# Altium PCB PROC114E3_BRD.PcbDoc (part 17 of 18) (continued)
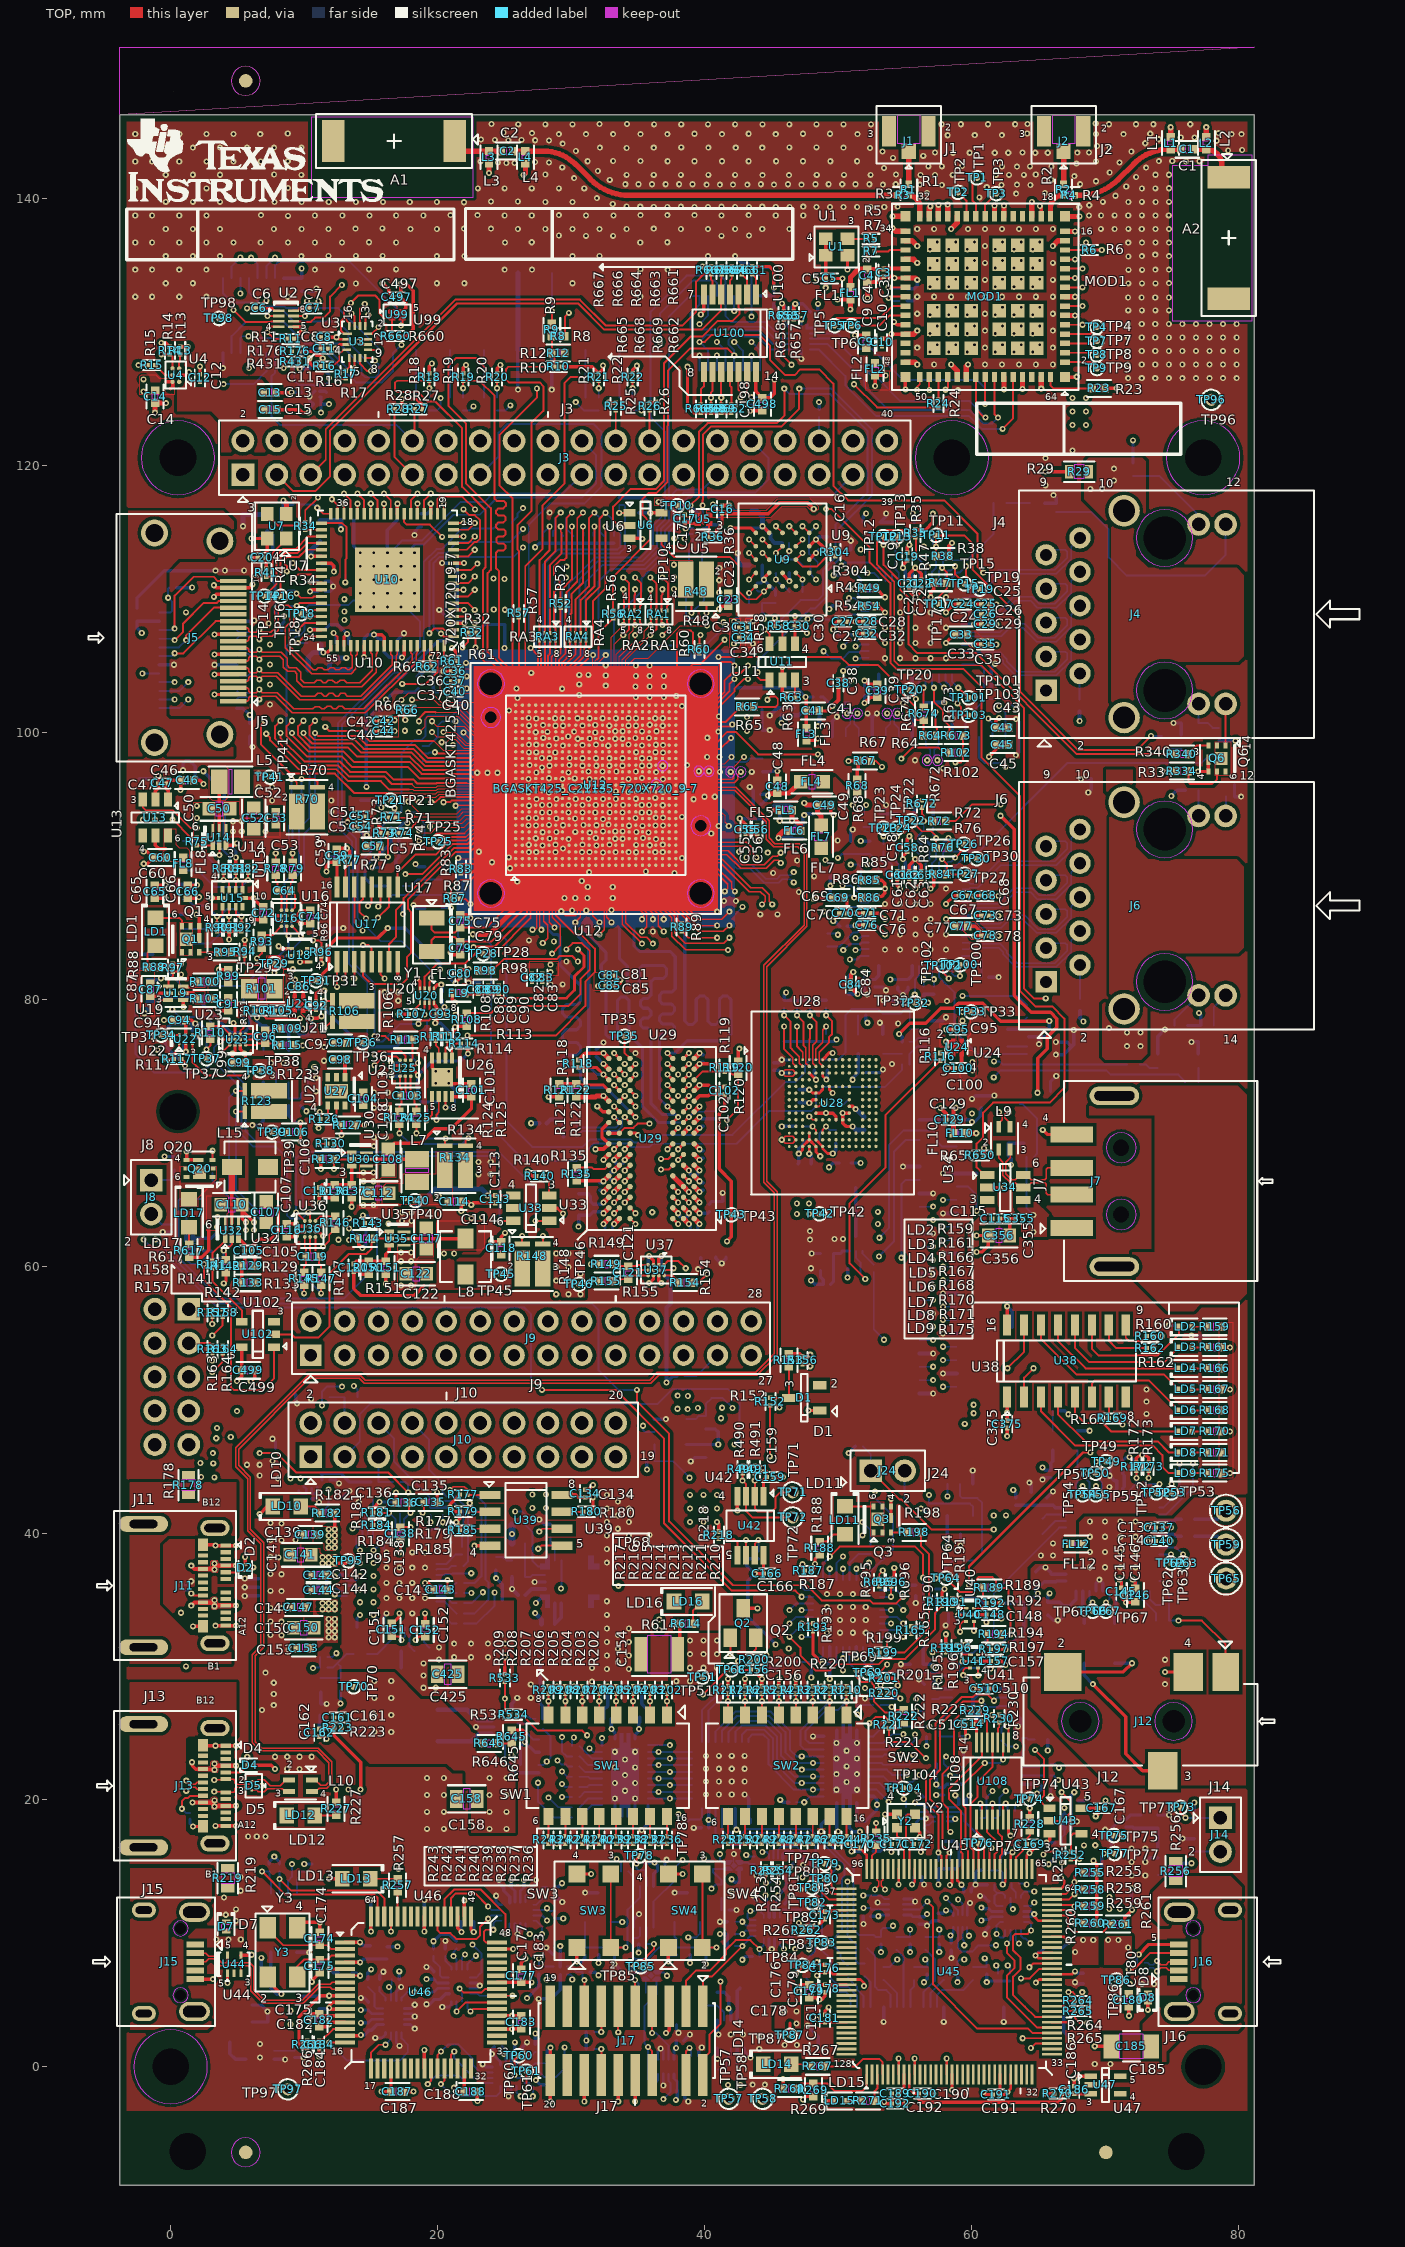
[diagram p0: TOP view]
## Silkscreen, mask and mechanical layers (free items; w line width, h text height)
Top Overlay:
  drawing of 9247 lines, arcs and shapes, not listed
Bottom Overlay:
  drawing of 3810 lines, arcs and shapes, not listed
DESIGN_OUTLINE:
  drawing of 9682 lines, arcs and shapes, not listed
  text "REVISIONS" at 298.237,287.444 h2.54
  text "REV #" at 232.197,281.094 h2.54
  text "DESCRIPTION" at 294.427,281.094 h2.54
  text "DATE" at 379.517,281.094 h2.54
  text "REV #" at 232.197,273.474 h2.54
  text "CCN #" at 301.412,273.474 h2.54
  text "DDMMYY" at 378.247,273.474 h2.54
  text "DATE" at 256.86,-180.526 h2.54
  text "SIGNATURES" at 217.82,-180.551 h2.54
  text "SM" at 243.183,-187.367 h2.54
  text "LAYOUT BY" at 210.276,-187.638 h2.54
  text "220422" at 257.58,-188.138 h2.54
  text "TEXAS INSTRUMENTS" at 294.287,-188.209 h3.05
  text "PROC114E3" at 372.073,-189.235 h3.05
  text "REVIEWED BY" at 210.276,-194.623 h2.54
  text "ZA" at 243.37,-194.696 h2.54
  text "220422" at 258.003,-195.639 h2.54
  text "APPROVED BY" at 210.276,-202.243 h2.54
  text "AMB" at 243.056,-202.48 h2.54
  text "220422" at 257.911,-203.328 h2.54
  text "AM62x  EVM  BOARD" at 306.542,-209.926 h3.05
  text "Rev" at 387.186,-225.557 h3.05
  text "SIZE" at 276.456,-225.865 h3.05
  text "D" at 280.267,-231.055 h3.05
  text "E3" at 388.583,-231.526 h3.05
  text "SCALE:" at 276.061,-238.765 h3.05
  text "NONE" at 292.698,-239.273 h3.05
  text "SHEET 1 OF 17" at 361.024,-239.273 h3.05
DIMENSION:
  lines w0.025: -3.81,164.008 28.593,164.008 -3.81,164.008 ; -3.81,164.008 0,164.643 ; -3.81,164.008 0,163.373 ; -3.81,164.008 0,164.643 ; -3.81,164.008 0,163.373 ; 0,163.373 0,164.643 ; 0,163.373 0,164.643 ; 77.38,163.373 81.19,164.008 ; 77.38,163.373 77.38,164.643 ; 77.38,163.373 81.19,164.008 ; 77.38,163.373 77.38,164.643 ; 77.38,164.643 81.19,164.008 ; 77.38,164.643 81.19,164.008 ; 81.19,164.008 44.762,164.008 81.19,164.008 ; 97.841,0.759 98.476,-3.051 ; 97.841,0.759 99.111,0.759 ; 97.841,0.759 98.476,-3.051 ; 97.841,0.759 99.111,0.759 ; 97.841,142.477 98.476,146.287 ; 97.841,142.477 99.111,142.477 ; 97.841,142.477 98.476,146.287 ; 97.841,142.477 99.111,142.477 ; 98.476,-3.051 98.476,90.264 98.476,-3.051 ; 98.476,-3.051 99.111,0.759 ; 98.476,-3.051 99.111,0.759 ; 98.476,146.287 99.111,142.477 ; 98.476,146.287 99.111,142.477 ; 98.476,146.287 98.476,102.776 98.476,146.287 ; 117.983,-5.08 118.618,-8.89 ; 117.983,-5.08 119.253,-5.08 ; 117.983,-5.08 118.618,-8.89 ; 117.983,-5.08 119.253,-5.08 ; 117.983,147.557 118.618,151.367 ; 117.983,147.557 119.253,147.557 ; 117.983,147.557 118.618,151.367 ; 117.983,147.557 119.253,147.557 ; 118.618,-8.89 119.253,-5.08 ; 118.618,-8.89 119.253,-5.08 ; 118.618,-8.89 118.618,71.189 118.618,-8.89 ; 118.618,151.367 118.618,83.7 118.618,151.367 ; 118.618,151.367 119.253,147.557 ; 118.618,151.367 119.253,147.557 ; -3.81,153.907 -3.81,166.548 -3.81,153.907 ; 81.19,153.907 81.19,166.548 81.19,153.907 ; 83.73,-8.89 121.158,-8.89 83.73,-8.89 ; 83.73,-3.051 101.016,-3.051 83.73,-3.051 ; 83.73,146.287 101.016,146.287 83.73,146.287 ; 83.73,151.367 121.158,151.367 83.73,151.367
NCLEGEND-1-10:
  circle w0.025: c190.054,151.633 r0.508
  circle w0.025: c190.054,161.793 r0.279
  circle w0.025: c190.054,141.473 r0.66
  circle w0.025: c190.054,146.553 r0.508
  circle w0.025: c190.054,156.713 r0.457
  circle w0.025: c190.054,166.873 r0.102
  lines w0.025: 180.847,83.053 318.642,83.053 ; 180.847,88.133 318.642,88.133 ; 180.847,93.213 318.642,93.213 ; 180.847,98.293 318.642,98.293 ; 180.847,103.373 318.642,103.373 ; 180.847,108.453 318.642,108.453 ; 180.847,113.533 318.642,113.533 ; 180.847,118.613 318.642,118.613 ; 180.847,123.693 318.642,123.693 ; 180.847,128.773 318.642,128.773 ; 180.847,133.853 318.642,133.853 ; 180.847,138.933 318.642,138.933 ; 180.847,144.013 318.642,144.013 ; 180.847,149.093 318.642,149.093 ; 180.847,154.173 318.642,154.173 ; 180.847,159.253 318.642,159.253 ; 180.847,164.333 318.642,164.333 ; 180.847,169.413 318.642,169.413 ; 180.847,174.493 318.642,174.493 ; 180.847,179.573 318.642,179.573 ; 188.683,110.993 191.426,110.993 ; 189.216,116.073 190.893,116.073 ; 190.054,109.622 190.054,112.365 ; 190.054,115.235 190.054,116.912 ; 199.262,77.973 199.262,174.493 ; 237.997,77.973 237.997,174.493 ; 276.732,77.973 276.732,174.493 ; 302.767,77.973 302.767,174.493 ; 180.847,77.973 180.847,185.923 318.642,185.923 318.642,77.973 180.847,77.973 ; 188.454,105.913 190.054,107.514 191.655,105.913 190.054,104.313 188.454,105.913 ; 188.911,79.802 ccw(c188.911,80.513) 188.911,81.225 191.197,81.225 ccw(c191.197,80.513) 191.197,79.802 188.911,79.802 ; 189.216,135.555 190.893,135.555 190.893,137.232 189.216,137.232 189.216,135.555 ; 189.318,84.984 ccw(c189.318,85.593) 189.318,86.203 190.791,86.203 ccw(c190.791,85.593) 190.791,84.984 189.318,84.984 ; 189.445,120.544 189.445,121.763 190.664,121.763 190.664,120.544 189.445,120.544 ; 189.572,95.144 ccw(c189.572,95.753) 189.572,96.363 190.537,96.363 ccw(c190.537,95.753) 190.537,95.144 189.572,95.144 ; 189.623,89.81 ccw(c189.623,90.673) 189.623,91.537 190.486,91.537 ccw(c190.486,90.673) 190.486,89.81 189.623,89.81 ; 189.623,125.802 189.623,126.665 190.486,126.665 190.486,125.802 189.623,125.802 ; 189.648,130.907 189.648,131.72 190.461,131.72 190.461,130.907 189.648,130.907 ; 189.724,100.275 ccw(c189.724,100.833) 189.724,101.392 190.385,101.392 ccw(c190.385,100.833) 190.385,100.275 189.724,100.275
  text "DRILL CHART: TOP to BOTTOM" at 223.328,182.113 h2.54
  text "ALL UNITS ARE IN MILS" at 228.408,175.763 h2.54
  text "FIGURE" at 183.958,170.683 h2.54
  text "SIZE" at 214.565,170.683 h2.54
  text "TOLERANCE" at 248.22,170.683 h2.54
  text "PLATED" at 283.653,170.683 h2.54
  text "QTY" at 307.656,170.683 h2.54
  text "8.0" at 215.581,165.603 h2.54
  text "+3.0/-3.0" at 248.22,165.603 h2.54
  text "PLATED" at 283.653,165.603 h2.54
  text "3263" at 306.64,165.603 h2.54
  text "22.0" at 214.565,160.523 h2.54
  text "+3.0/-3.0" at 248.22,160.523 h2.54
  text "PLATED" at 283.653,160.523 h2.54
  text "6" at 309.688,160.523 h2.54
  text "36.0" at 214.565,155.443 h2.54
  text "+3.0/-3.0" at 248.22,155.443 h2.54
  text "PLATED" at 283.653,155.443 h2.54
  text "48" at 308.672,155.443 h2.54
  text "40.0" at 214.565,150.363 h2.54
  text "+3.0/-2.0" at 248.22,150.363 h2.54
  text "PLATED" at 283.653,150.363 h2.54
  text "6" at 309.688,150.363 h2.54
  text "40.0" at 214.565,145.283 h2.54
  text "+3.0/-3.0" at 248.22,145.283 h2.54
  text "PLATED" at 283.653,145.283 h2.54
  text "81" at 308.672,145.283 h2.54
  text "52.0" at 214.565,140.203 h2.54
  text "+1.0/-1.0" at 248.22,140.203 h2.54
  text "PLATED" at 283.653,140.203 h2.54
  text "4" at 309.688,140.203 h2.54
  text "66.0" at 214.565,135.123 h2.54
  text "+3.0/-3.0" at 248.22,135.123 h2.54
  text "PLATED" at 283.653,135.123 h2.54
  text "4" at 309.688,135.123 h2.54
  text "32.0" at 214.565,130.043 h2.54
  text "+3.0/-3.0" at 248.22,130.043 h2.54
  text "NON-PLATED" at 279.589,130.043 h2.54
  text "4" at 309.688,130.043 h2.54
  text "34.0" at 214.565,124.963 h2.54
  text "+1.0/-1.0" at 248.22,124.963 h2.54
  text "NON-PLATED" at 279.589,124.963 h2.54
  text "2" at 309.688,124.963 h2.54
  text "48.0" at 214.565,119.883 h2.54
  text "+3.0/-3.0" at 248.22,119.883 h2.54
  text "NON-PLATED" at 279.589,119.883 h2.54
  text "2" at 309.688,119.883 h2.54
  text "66.0" at 214.565,114.803 h2.54
  text "+3.0/-3.0" at 248.22,114.803 h2.54
  text "NON-PLATED" at 279.589,114.803 h2.54
  text "6" at 309.688,114.803 h2.54
  text "108.0" at 213.549,109.723 h2.54
  text "+3.0/-3.0" at 248.22,109.723 h2.54
  text "NON-PLATED" at 279.589,109.723 h2.54
  text "10" at 308.672,109.723 h2.54
  text "126.0" at 213.549,104.643 h2.54
  text "+3.0/-3.0" at 248.22,104.643 h2.54
  text "NON-PLATED" at 279.589,104.643 h2.54
  text "4" at 309.688,104.643 h2.54
  text "48.0x22.0" at 209.485,99.563 h2.54
  text "+3.0/-3.0" at 248.22,99.563 h2.54
  text "PLATED" at 283.653,99.563 h2.54
  text "4" at 309.688,99.563 h2.54
  text "62.0x24.0" at 209.485,94.483 h2.54
  text "+2.0/-2.0" at 248.22,94.483 h2.54
  text "PLATED" at 283.653,94.483 h2.54
  text "4" at 309.688,94.483 h2.54
  text "68.0x34.0" at 209.485,89.403 h2.54
  text "+3.0/-3.0" at 248.22,89.403 h2.54
  text "PLATED" at 283.653,89.403 h2.54
  text "4" at 309.688,89.403 h2.54
  text "82.0x24.0" at 209.485,84.323 h2.54
  text "+2.0/-2.0" at 248.22,84.323 h2.54
  text "PLATED" at 283.653,84.323 h2.54
  text "4" at 309.688,84.323 h2.54
  text "118.0x28.0" at 208.469,79.243 h2.54
  text "+3.0/-3.0" at 248.22,79.243 h2.54
  text "PLATED" at 283.653,79.243 h2.54
  text "2" at 309.688,79.243 h2.54
Z_CHART:
  lines w0.254: -307.396,-94.351 -66.096,-94.351 ; -307.396,-90.541 -66.096,-90.541 ; -307.396,-86.731 -66.096,-86.731 ; -307.396,-82.921 -66.096,-82.921 ; -307.396,-79.111 -66.096,-79.111 ; -307.396,-75.301 -66.096,-75.301 ; -307.396,-41.646 -240.086,-41.646 ; -307.396,-41.011 -240.086,-41.011 ; -297.27,-98.01 -297.236,-63.871 ; -237.546,-98.161 -237.546,-75.301 ; -237.546,-90.541 -237.546,-63.871 ; -217.861,-98.161 -217.861,-75.301 ; -217.861,-90.541 -217.861,-63.871 ; -174.681,-98.161 -174.681,-75.301 ; -174.681,-90.541 -174.681,-63.871 ; -139.121,-98.161 -139.121,-75.301 ; -139.121,-90.541 -139.121,-63.871 ; -99.751,-98.161 -99.751,-75.301 ; -99.751,-90.541 -99.751,-63.871 ; -73.716,-70.856 -307.396,-70.856 ; -73.716,-67.046 -307.396,-67.046 -66.096,-67.046 ; -73.716,-63.236 -307.396,-63.236 -66.096,-63.236 ; -73.716,-59.426 -307.396,-59.426 -66.096,-59.426 ; -73.716,-55.616 -307.396,-55.616 -66.096,-55.616 ; -66.096,-70.856 -307.396,-70.856 ; -66.096,-51.171 -307.396,-51.171 ; -307.396,-70.856 -307.396,-51.171 ; -307.396,-51.171 -307.396,-98.161 -66.096,-98.161 -66.096,-44.186 -307.396,-44.186 -307.396,-51.171 ; -297.236,-70.856 -297.236,-44.186 -297.236,-70.856 ; -237.546,-70.856 -237.546,-44.186 -237.546,-70.856 ; -217.861,-70.856 -217.861,-44.186 -217.861,-70.856 ; -174.681,-70.856 -174.681,-44.186 -174.681,-70.856 ; -139.121,-70.856 -139.121,-44.186 -139.121,-70.856 ; -99.751,-70.856 -99.751,-44.186 -99.751,-70.856
  text "IMPEDANCE SPECIFICATIONS" at -303.128,-39.953 h3.05
  text "SL#" at -305.364,-48.843 h2.54
  text "TYPE" at -270.185,-48.843 h2.54
  text "LAYER" at -233.101,-48.843 h2.54
  text "TRACEWIDTH(Mils)" at -211.892,-48.843 h2.54
  text "SPACING(Mils)" at -170.109,-48.843 h2.54
  text "IMPEDANCE(Ohms)" at -134.676,-48.843 h2.54
  text "REF LAYER" at -95.56,-48.843 h2.54
  text "EDGE COUPLED STRIPLINE" at -291.013,-54.981 h2.54
  text "01" at -304.348,-55.193 h2.54
  text "L3,L8" at -233.101,-55.193 h2.54
  text "3.2" at -198.049,-55.193 h2.54
  text "7.5" at -159.314,-55.193 h2.54
  text "100" at -121.849,-55.193 h2.54
  text "L2/L4,L7/L9" at -96.322,-55.193 h2.54
  text "EDGE COUPLED MICROSTRIP" at -290.759,-58.791 h2.54
  text "02" at -304.348,-59.003 h2.54
  text "L1,L10" at -234.117,-59.003 h2.54
  text "4.25" at -199.065,-59.003 h2.54
  text "7.15" at -160.33,-59.003 h2.54
  text "100" at -121.849,-59.003 h2.54
  text "L2,L9" at -90.226,-59.003 h2.54
  text "EDGE COUPLED STRIPLINE" at -291.013,-62.601 h2.54
  text "03" at -304.348,-62.813 h2.54
  text "L3,L8" at -233.101,-62.813 h2.54
  text "3.7" at -198.049,-62.813 h2.54
  text "6" at -157.282,-62.813 h2.54
  text "90" at -120.833,-62.813 h2.54
  text "L2/L4,L7/L9" at -96.322,-62.813 h2.54
  text "EDGE COUPLED MICROSTRIP" at -290.759,-66.411 h2.54
  text "04" at -304.348,-66.623 h2.54
  text "L1,L10" at -234.117,-66.623 h2.54
  text "4.2" at -198.049,-66.623 h2.54
  text "4.4" at -159.314,-66.623 h2.54
  text "90" at -120.833,-66.623 h2.54
  text "L2,L9" at -90.226,-66.623 h2.54
  text "EDGE COUPLED STRIPLINE" at -291.013,-70.221 h2.54
  text "L3,L8" at -233.101,-70.433 h2.54
  text "4.2" at -198.049,-70.433 h2.54
  text "4.3" at -159.314,-70.433 h2.54
  text "80" at -120.833,-70.433 h2.54
  text "L2/L4,L7/L9" at -96.322,-70.433 h2.54
  text "01" at -304.348,-71.068 h2.54
  text "EDGE COUPLED MICROSTRIP" at -290.759,-74.031 h2.54
  text "L1,L10" at -234.117,-74.243 h2.54
  text "6.02" at -199.065,-74.243 h2.54
  text "4.8" at -159.314,-74.243 h2.54
  text "80" at -120.833,-74.243 h2.54
  text "L2,L9" at -90.226,-74.243 h2.54
  text "02" at -304.348,-74.878 h2.54
  text "L1,L10" at -234.117,-78.053 h2.54
  text "4.1" at -198.049,-78.053 h2.54
  text "5.75" at -160.252,-78.302 h2.54
  text "120" at -121.914,-78.449 h2.54
  text "L3" at -87.243,-78.449 h2.54
  text "EDGE COUPLED MICROSTRIP" at -290.759,-78.476 h2.54
  text "03" at -304.348,-78.688 h2.54
  text "STRIPLINE" at -294.183,-82.359 h2.54
  text "L3,L8" at -233.101,-82.498 h2.54
  text "5.8" at -198.049,-82.498 h2.54
  text "NA" at -158.298,-82.498 h2.54
  text "40" at -120.833,-82.498 h2.54
  text "L2/L4,L7/L9" at -96.322,-82.498 h2.54
  text "03" at -304.216,-82.571 h2.54
  text "MICROSTRIP" at -293.929,-86.169 h2.54
  text "L1,L10" at -234.117,-86.308 h2.54
  text "9.05" at -199.065,-86.308 h2.54
  text "NA" at -158.298,-86.308 h2.54
  text "40" at -120.833,-86.308 h2.54
  text "L2,L9" at -90.226,-86.308 h2.54
  text "04" at -304.216,-86.381 h2.54
  text "04" at -304.147,-89.918 h2.54
  text "STRIPLINE" at -294.183,-89.979 h2.54
  text "L3,L8" at -233.101,-90.118 h2.54
  text "3.6" at -198.049,-90.118 h2.54
  text "NA" at -158.298,-90.118 h2.54
  text "50" at -120.833,-90.118 h2.54
  text "L2/L4,L7/L9" at -96.322,-90.118 h2.54
  text "05" at -303.95,-93.746 h2.54
  text "MICROSTRIP" at -293.929,-93.789 h2.54
  text "L1,L10" at -234.117,-93.928 h2.54
  text "5.8" at -198.049,-93.928 h2.54
  text "NA" at -158.298,-93.928 h2.54
  text "50" at -120.833,-93.928 h2.54
  text "L2,L9" at -90.226,-93.928 h2.54
  text "COPLANAR" at -291.795,-97.523 h2.54
  text "06" at -303.95,-97.658 h2.54
  text "L1" at -230.053,-97.662 h2.54
  text "16" at -197.033,-97.662 h2.54
  text "14" at -158.298,-97.662 h2.54
  text "50" at -120.833,-97.662 h2.54
  text "L3" at -87.178,-97.662 h2.54
COME8_MODULE_DXF:
  drawing of 7265 lines, arcs and shapes, not listed
V0P4_DXF_BOT:
  drawing of 24198 lines, arcs and shapes, not listed
V0P3_DXF_BOT:
  drawing of 15131 lines, arcs and shapes, not listed
V0P3_DXF_TOP:
  drawing of 576 lines, arcs and shapes, not listed
V0P2_DXF_TOP:
  drawing of 15124 lines, arcs and shapes, not listed
DXF_PROC123E1_TASY:
  drawing of 3812 lines, arcs and shapes, not listed
DXF_TASY_PROC100E2:
  drawing of 546 lines, arcs and shapes, not listed
V0P1_DXF_BOT:
  circle w0.025: c59.546,89.145 r0.85
  circle w0.025: c36.901,116.87 r0.5
  circle w0.025: c31.821,116.87 r0.85
  circle w0.025: c31.821,89.145 r0.85
  circle w0.025: c59.546,116.87 r0.85
  lines w0.025: 52.592,107.219 cw(c52.288,107.959) 51.985,107.219 ccw(c51.681,106.479) 51.682,107.279 51.488,107.279 cw(c51.488,108.079) 50.701,107.937 ccw(c49.914,107.795) 49.914,108.595 40.895,108.595 ccw(c40.895,107.795) 40.095,107.795 40.095,98.531 ccw(c40.895,98.531) 40.895,97.731 51.488,97.731 ccw(c51.488,98.531) 52.288,98.531 52.288,100.999 cw(c53.088,100.999) 53.088,101.799 ; 29.321,87.445 ccw(c30.121,87.445) 30.121,86.645 36.043,86.645 36.043,89.052 cw(c36.843,89.052) 36.843,89.852 44.675,89.852 cw(c44.675,89.052) 45.475,89.052 45.475,86.645 61.246,86.645 ccw(c61.246,87.445) 62.046,87.445 62.046,91.327 59.447,91.327 cw(c59.447,92.127) 58.836,91.61 ccw(c58.226,91.093) 58.226,91.893 56.888,91.893 cw(c56.888,92.693) 56.088,92.693 56.088,93.431 ccw(c55.288,93.431) 55.288,94.231 54.496,94.231 cw(c54.496,95.031) 53.696,95.031 53.696,96.469 cw(c54.496,96.47) 54.496,97.27 55.516,97.27 cw(c55.516,96.47) 56.316,96.469 56.316,95.682 ccw(c57.116,95.682) 57.116,94.882 57.23,94.882 ccw(c57.23,95.682) 58.03,95.682 58.03,96.988 cw(c58.83,96.988) 58.83,97.788 59.328,97.788 59.328,99.456 57.519,99.456 cw(c57.519,100.256) 56.719,100.256 56.719,100.999 ccw(c55.919,100.999) 55.919,101.799 52.895,101.799 cw(c52.895,102.599) 52.095,102.599 52.095,106.479 cw(c52.895,106.479) 52.895,107.279 54.809,107.279 cw(c54.809,106.479) 55.609,106.479 55.609,105.269 ccw(c56.409,105.269) 56.409,104.469 56.428,104.469 ccw(c56.428,105.269) 57.228,105.254 cw(c58.028,105.238) 58.028,106.038 62.046,106.038 62.046,117.37 60.046,119.37 30.121,119.37 ccw(c30.121,118.57) 29.321,118.57 29.321,104.9 31.62,104.9 cw(c31.62,104.1) 32.42,104.1 32.42,102.93 cw(c31.62,102.93) 31.62,102.13 29.321,102.13 29.321,100.73 29.371,100.73 cw(c29.371,99.93) 30.171,99.93 30.171,98.591 cw(c29.371,98.591) 29.371,97.791 29.321,97.791 29.321,87.445 ; 29.947,106.377 ccw(c30.747,106.377) 30.747,105.577 32.933,105.577 ccw(c32.933,106.377) 33.733,106.377 33.733,107.816 ccw(c32.933,107.816) 32.933,108.616 30.747,108.616 ccw(c30.747,107.816) 29.947,107.816 29.947,106.377 ; 33.394,94.813 ccw(c34.194,94.813) 34.194,94.013 36.997,94.013 ccw(c36.997,94.813) 37.797,94.813 37.797,101.891 ccw(c36.997,101.891) 36.997,102.691 34.194,102.691 ccw(c34.194,101.891) 33.394,101.891 33.394,94.813 ; 41.116,91.408 ccw(c41.916,91.408) 41.916,90.608 43.354,90.608 ccw(c43.355,91.408) 44.155,91.408 44.155,92.528 ccw(c43.355,92.528) 43.354,93.328 41.916,93.328 ccw(c41.916,92.528) 41.116,92.528 41.116,91.408 ; 45.803,92.971 ccw(c46.603,92.971) 46.603,92.171 47.773,92.171 ccw(c47.773,92.971) 48.573,92.971 48.573,94.41 ccw(c47.773,94.41) 47.773,95.21 46.603,95.21 ccw(c46.603,94.41) 45.803,94.41 45.803,92.971 ; 52.663,89.312 ccw(c53.463,89.312) 53.463,88.512 56.294,88.512 cw(c56.294,87.712) 56.65,88.428 ccw(c57.006,89.145) 57.272,89.899 cw(c57.537,90.654) 56.738,90.654 56.738,90.7 ccw(c55.937,90.7) 55.937,91.5 53.463,91.5 ccw(c53.463,90.7) 52.663,90.7 52.663,89.312 ; 53.358,112.505 ccw(c54.158,112.505) 54.158,111.705 55.497,111.705 ccw(c55.497,112.505) 56.297,112.505 56.297,116.877 ccw(c55.497,116.877) 55.497,117.677 54.158,117.677 ccw(c54.158,116.877) 53.358,116.877 53.358,112.505 ; 57.003,108.848 ccw(c57.803,108.849) 57.804,108.049 59.242,108.049 ccw(c59.242,108.849) 60.042,108.848 60.042,112.459 ccw(c59.242,112.459) 59.242,113.259 57.804,113.259 ccw(c57.803,112.459) 57.003,112.459 57.003,108.848
V0P1_DXF_TOP:
  drawing of 735 lines, arcs and shapes, not listed
PROC101E2 TMDS64GPEVM_B:
  lines w0.025: -45.376,74.792 -45.376,77.332 ; -45.376,85.472 -45.376,82.932 ; 132.424,44.429 132.424,46.215 ; 132.424,54.651 132.424,52.865 ; 132.424,61.574 132.424,63.36 ; 132.424,71.796 132.424,70.01 ; -45.376,32.903 132.424,32.903 ; -45.376,32.903 -45.376,25.903 132.424,25.903 132.424,32.903 ; -45.376,32.903 132.424,32.903 ; -45.376,32.903 -45.376,77.332 ; -45.376,77.332 -43.696,77.332 ; -45.376,77.332 -43.696,77.332 ; -45.376,78.182 -43.696,78.182 ; -45.376,78.182 -45.376,82.082 ; -45.376,78.182 -43.696,78.182 ; -45.376,78.182 -45.376,82.082 ; -45.376,82.082 -43.696,82.082 ; -45.376,82.082 -43.696,82.082 ; -45.376,82.932 -43.696,82.932 ; -45.376,82.932 -43.696,82.932 ; -45.376,82.932 -45.376,159.903 ; -45.376,159.903 132.424,159.903 ; -45.376,159.903 -45.376,166.903 132.424,166.903 132.424,159.903 ; -45.376,159.903 132.424,159.903 ; -43.696,77.332 ccw(c-43.696,77.532) -43.496,77.532 ; -43.696,77.332 ccw(c-43.696,77.532) -43.496,77.532 ; -43.696,78.182 cw(c-43.696,77.982) -43.496,77.982 ; -43.696,78.182 cw(c-43.696,77.982) -43.496,77.982 ; -43.696,82.082 ccw(c-43.696,82.282) -43.496,82.282 ; -43.696,82.082 ccw(c-43.696,82.282) -43.496,82.282 ; -43.696,82.932 cw(c-43.696,82.732) -43.496,82.732 ; -43.696,82.932 cw(c-43.696,82.732) -43.496,82.732 ; -43.496,77.532 -43.496,77.982 ; -43.496,77.532 -43.496,77.982 ; -43.496,82.282 -43.496,82.732 ; -43.496,82.282 -43.496,82.732 ; 130.824,46.715 cw(c130.824,47.165) 130.374,47.165 cw(c130.824,47.165) 130.824,47.615 ; 130.824,46.715 cw(c130.824,47.165) 130.824,47.615 ; 130.824,46.715 131.924,46.715 ; 130.824,46.715 131.924,46.715 ; 130.824,47.615 131.924,47.615 ; 130.824,47.615 131.924,47.615 ; 130.824,51.465 cw(c130.824,51.915) 130.374,51.915 cw(c130.824,51.915) 130.824,52.365 ; 130.824,51.465 cw(c130.824,51.915) 130.824,52.365 ; 130.824,51.465 131.924,51.465 ; 130.824,51.465 131.924,51.465 ; 130.824,52.365 131.924,52.365 ; 130.824,52.365 131.924,52.365 ; 130.824,63.86 cw(c130.824,64.31) 130.374,64.31 cw(c130.824,64.31) 130.824,64.76 ; 130.824,63.86 cw(c130.824,64.31) 130.824,64.76 ; 130.824,63.86 131.924,63.86 ; 130.824,63.86 131.924,63.86 ; 130.824,64.76 131.924,64.76 ; 130.824,64.76 131.924,64.76 ; 130.824,68.61 cw(c130.824,69.06) 130.374,69.06 cw(c130.824,69.06) 130.824,69.51 ; 130.824,68.61 cw(c130.824,69.06) 130.824,69.51 ; 130.824,68.61 131.924,68.61 ; 130.824,68.61 131.924,68.61 ; 130.824,69.51 131.924,69.51 ; 130.824,69.51 131.924,69.51 ; 131.924,46.715 132.424,46.215 ; 131.924,46.715 132.424,46.215 ; 131.924,47.615 132.424,48.115 ; 131.924,47.615 132.424,48.115 ; 131.924,51.465 132.424,50.965 ; 131.924,51.465 132.424,50.965 ; 131.924,52.365 132.424,52.865 ; 131.924,52.365 132.424,52.865 ; 131.924,63.86 132.424,63.36 ; 131.924,63.86 132.424,63.36 ; 131.924,64.76 132.424,65.26 ; 131.924,64.76 132.424,65.26 ; 131.924,68.61 132.424,68.11 ; 131.924,68.61 132.424,68.11 ; 131.924,69.51 132.424,70.01 ; 131.924,69.51 132.424,70.01 ; 132.424,32.903 132.424,46.215 ; 132.424,48.115 132.424,50.965 ; 132.424,48.115 132.424,50.965 ; 132.424,52.865 132.424,63.36 ; 132.424,65.26 132.424,68.11 ; 132.424,65.26 132.424,68.11 ; 132.424,70.01 132.424,159.903
PROC101E2 TMDS64GPEVM_T:
  lines w0.025: -45.376,74.792 -45.376,77.332 ; -45.376,85.472 -45.376,82.932 ; 132.424,44.429 132.424,46.215 ; 132.424,54.651 132.424,52.865 ; 132.424,61.574 132.424,63.36 ; 132.424,71.796 132.424,70.01 ; -45.376,32.903 132.424,32.903 ; -45.376,32.903 -45.376,25.903 132.424,25.903 132.424,32.903 ; -45.376,32.903 132.424,32.903 ; -45.376,32.903 -45.376,77.332 ; -45.376,77.332 -43.696,77.332 ; -45.376,77.332 -43.696,77.332 ; -45.376,78.182 -43.696,78.182 ; -45.376,78.182 -45.376,82.082 ; -45.376,78.182 -43.696,78.182 ; -45.376,78.182 -45.376,82.082 ; -45.376,82.082 -43.696,82.082 ; -45.376,82.082 -43.696,82.082 ; -45.376,82.932 -43.696,82.932 ; -45.376,82.932 -45.376,159.903 ; -45.376,82.932 -43.696,82.932 ; -45.376,159.903 132.424,159.903 ; -45.376,159.903 132.424,159.903 ; -45.376,159.903 -45.376,166.903 132.424,166.903 132.424,159.903 ; -43.696,77.332 ccw(c-43.696,77.532) -43.496,77.532 ; -43.696,77.332 ccw(c-43.696,77.532) -43.496,77.532 ; -43.696,78.182 cw(c-43.696,77.982) -43.496,77.982 ; -43.696,78.182 cw(c-43.696,77.982) -43.496,77.982 ; -43.696,82.082 ccw(c-43.696,82.282) -43.496,82.282 ; -43.696,82.082 ccw(c-43.696,82.282) -43.496,82.282 ; -43.696,82.932 cw(c-43.696,82.732) -43.496,82.732 ; -43.696,82.932 cw(c-43.696,82.732) -43.496,82.732 ; -43.496,77.532 -43.496,77.982 ; -43.496,77.532 -43.496,77.982 ; -43.496,82.282 -43.496,82.732 ; -43.496,82.282 -43.496,82.732 ; 130.824,46.715 cw(c130.824,47.165) 130.374,47.165 cw(c130.824,47.165) 130.824,47.615 ; 130.824,46.715 cw(c130.824,47.165) 130.824,47.615 ; 130.824,46.715 131.924,46.715 ; 130.824,46.715 131.924,46.715 ; 130.824,47.615 131.924,47.615 ; 130.824,47.615 131.924,47.615 ; 130.824,51.465 cw(c130.824,51.915) 130.374,51.915 cw(c130.824,51.915) 130.824,52.365 ; 130.824,51.465 cw(c130.824,51.915) 130.824,52.365 ; 130.824,51.465 131.924,51.465 ; 130.824,51.465 131.924,51.465 ; 130.824,52.365 131.924,52.365 ; 130.824,52.365 131.924,52.365 ; 130.824,63.86 cw(c130.824,64.31) 130.824,64.76 ; 130.824,63.86 cw(c130.824,64.31) 130.374,64.31 cw(c130.824,64.31) 130.824,64.76 ; 130.824,63.86 131.924,63.86 ; 130.824,63.86 131.924,63.86 ; 130.824,64.76 131.924,64.76 ; 130.824,64.76 131.924,64.76 ; 130.824,68.61 cw(c130.824,69.06) 130.824,69.51 ; 130.824,68.61 cw(c130.824,69.06) 130.374,69.06 cw(c130.824,69.06) 130.824,69.51 ; 130.824,68.61 131.924,68.61 ; 130.824,68.61 131.924,68.61 ; 130.824,69.51 131.924,69.51 ; 130.824,69.51 131.924,69.51 ; 131.924,46.715 132.424,46.215 ; 131.924,46.715 132.424,46.215 ; 131.924,47.615 132.424,48.115 ; 131.924,47.615 132.424,48.115 ; 131.924,51.465 132.424,50.965 ; 131.924,51.465 132.424,50.965 ; 131.924,52.365 132.424,52.865 ; 131.924,52.365 132.424,52.865 ; 131.924,63.86 132.424,63.36 ; 131.924,63.86 132.424,63.36 ; 131.924,64.76 132.424,65.26 ; 131.924,64.76 132.424,65.26 ; 131.924,68.61 132.424,68.11 ; 131.924,68.61 132.424,68.11 ; 131.924,69.51 132.424,70.01 ; 131.924,69.51 132.424,70.01 ; 132.424,32.903 132.424,46.215 ; 132.424,48.115 132.424,50.965 ; 132.424,48.115 132.424,50.965 ; 132.424,52.865 132.424,63.36 ; 132.424,65.26 132.424,68.11 ; 132.424,65.26 132.424,68.11 ; 132.424,70.01 132.424,159.903
TITLE_BLOCK:
  drawing of 9242 lines, arcs and shapes, not listed
  text "PROC114E3" at 90.948,-29.599 h1.27
  text "TEXAS INSTRUMENTS" at 30.737,-30.107 h2.54
  text "DESCRIPTION:" at 47.07,-35.611 h1.27
  text "REV: E3" at 34.42,-35.738 h1.27
  text "BOARD NAME:" at -17.569,-35.912 h1.27
  text "AM62x EVM  BOARD" at -1.243,-36.242 h1.27
  text "DATE: 22/04/22" at 35.335,-42.088 h1.27
  text "OF" at 71.555,-42.172 h1.27
  text "SHEET" at 60.509,-42.184 h1.27
  text "17" at 74.622,-42.189 h1.27
  text "SCALE: 1" at -0.392,-42.389 h1.27
3:
  text "PROC101 E2 ASSEMBLY TOP" at -74.256,238.171 h3.96
  text "ASSEMBLY NOTES:-" at -160.491,225.888 h3.96
  text "1 - All MSL components should be baked as per JEDEC standard." at -160.491,220.406 h3.96
  text "2 - PCB should be baked at 120 degree for 8 hours." at -160.491,214.315 h3.96
  text "3 - Board assembly must comply with workmanship standards IPC-A-610 Class 2, unless otherwise specified." at -160.491,209.139 h3.96
  text "4 - These assemblies are ESD sensitive, ESD precautions shall be observed." at -160.491,203.962 h3.96
  text "5 - These assemblies must be clean and free from flux and all contaminants. Use of no clean flux is not acceptable." at -160.491,199.091 h3.96
  text "6 - Provide serial numbers to the assembled boards for identification." at -160.796,193.914 h3.96
  text "7 - The assembled board are wrapped in ESD Covers(individual) and packed securely before shipment." at -160.796,188.737 h3.96
2:
  text "PROC101 E2 ASSEMBLY BOTTOM" at 169.305,246.934 h3.96
  text "ASSEMBLY NOTES:-" at 255.541,234.651 h3.96
  text "1 - All MSL components should be baked as per JEDEC standard." at 255.541,229.169 h3.96
  text "2 - PCB should be baked at 120 degree for 8 hours." at 255.541,223.078 h3.96
  text "3 - Board assembly must comply with workmanship standards IPC-A-610 Class 2, unless otherwise specified." at 255.541,217.902 h3.96
  text "4 - These assemblies are ESD sensitive, ESD precautions shall be observed." at 255.541,212.725 h3.96
  text "5 - These assemblies must be clean and free from flux and all contaminants. Use of no clean flux is not acceptable." at 255.541,207.854 h3.96
  text "6 - Provide serial numbers to the assembled boards for identification." at 255.845,202.677 h3.96
  text "7 - The assembled board are wrapped in ESD Covers(individual) and packed securely before shipment." at 255.845,197.5 h3.96
FAB_DETAIL:
  drawing of 222 lines, arcs and shapes, not listed
SHAPE PROBLEMS:
  circle w0.025: c97.067,135.085 r0.318
  circle w0.025: c-5.592,133.665 r0.318
  circle w0.025: c38.774,98.972 r0.318
  circle w0.025: c38.774,100.572 r0.318
  circle w0.025: c38.774,98.172 r0.318
  circle w0.025: c-5.592,133.665 r0.318
  circle w0.025: c4.586,125.54 r0.318
  circle w0.025: c22.21,105.661 r0.318
  circle w0.025: c90.313,96.352 r0.318
  circle w0.025: c51.45,146.764 r0.318
  circle w0.025: c93.571,123.469 r0.318
  circle w0.025: c22.21,105.661 r0.318
  circle w0.025: c84.217,122.266 r0.318
  circle w0.025: c-5.592,133.665 r0.318
  circle w0.025: c132.627,43.947 r0.318
  circle w0.025: c4.586,125.54 r0.318
  circle w0.025: c64.553,89.991 r0.318
  circle w0.025: c38.774,97.372 r0.318
  circle w0.025: c-43.039,74.432 r0.318
  circle w0.025: c92.274,114.797 r0.318
  circle w0.025: c64.553,89.991 r0.318
  circle w0.025: c84.217,122.266 r0.318
  circle w0.025: c67.095,126.108 r0.318
  circle w0.025: c-43.039,86.367 r0.318
  circle w0.025: c38.774,93.548 r0.318
  circle w0.025: c71.922,61.627 r0.318
  circle w0.025: c8.517,55.802 r0.318
  circle w0.025: c67.095,125.219 r0.318
  circle w0.025: c51.093,150.198 r0.318
  circle w0.025: c97.067,129.116 r0.318
  circle w0.025: c38.774,99.772 r0.318
  circle w0.025: c71.913,61.623 r0.318
  circle w0.025: c4.586,125.54 r0.318
  circle w0.025: c132.627,55.134 r0.318
  circle w0.025: c19.411,118.323 r0.318
  circle w0.025: c-43.039,86.367 r0.318
  circle w0.025: c38.774,101.372 r0.318
  circle w0.025: c22.21,105.661 r0.318
  circle w0.025: c132.627,72.279 r0.318
  circle w0.025: c93.577,123.464 r0.318
  circle w0.025: c96.221,82.8 r0.318
  circle w0.025: c74.436,107.623 r0.318
  circle w0.025: c38.774,96.572 r0.318
  circle w0.025: c8.517,55.802 r0.318
  circle w0.025: c132.627,61.092 r0.318
  circle w0.025: c-38.645,80.63 r0.318
DRAWING_ORIGIN:
  lines w0.025: -0.635,0 0.635,0 ; 0,-0.635 0,0.635

## Text inside footprints (layer, text, board x,y; h text height)
C442: PIN_NUMBER "1" at 39.657,18.033 h0.25 r180; PIN_NUMBER "2" at 40.217,18.033 h0.25 r180
C443: PIN_NUMBER "2" at 69.661,17.232 h0.25 r270; PIN_NUMBER "1" at 69.661,16.672 h0.25 r270
C445: PIN_NUMBER "1" at 47.282,15.543 h0.25; PIN_NUMBER "2" at 46.722,15.543 h0.25
C446: PIN_NUMBER "1" at 36.945,14.596 h0.25; PIN_NUMBER "2" at 36.385,14.596 h0.25
C449: PIN_NUMBER "1" at 56.199,14.101 h0.25; PIN_NUMBER "2" at 55.639,14.101 h0.25
C450: PIN_NUMBER "1" at 46.596,13.637 h0.25; PIN_NUMBER "2" at 46.036,13.637 h0.25
C451: PIN_NUMBER "1" at 42.372,13.268 h0.25 r270; PIN_NUMBER "2" at 42.372,13.828 h0.25 r270
C452: PIN_NUMBER "1" at 26.938,13.32 h0.25; PIN_NUMBER "2" at 26.379,13.32 h0.25
C453: PIN_NUMBER "1" at 24.855,13.574 h0.25 r180; PIN_NUMBER "2" at 25.414,13.574 h0.25 r180
C454: PIN_NUMBER "2" at 59.895,13.25 h0.25 r180; PIN_NUMBER "1" at 59.336,13.25 h0.25 r180
C455: PIN_NUMBER "2" at 71.903,12.71 h0.25 r180; PIN_NUMBER "1" at 70.923,12.71 h0.25 r180
C456: PIN_NUMBER "1" at 45.912,12.101 h0.25; PIN_NUMBER "2" at 45.352,12.101 h0.25
C457: PIN_NUMBER "1" at 43.981,12.355 h0.25 r180; PIN_NUMBER "2" at 44.541,12.355 h0.25 r180
C458: PIN_NUMBER "1" at 61.33,12.406 h0.25 r90; PIN_NUMBER "2" at 61.33,11.846 h0.25 r90
C459: PIN_NUMBER "2" at 41.741,11.872 h0.25 r180; PIN_NUMBER "1" at 41.182,11.872 h0.25 r180
C460: PIN_NUMBER "1" at 19.035,11.834 h0.25 r90; PIN_NUMBER "2" at 19.035,10.854 h0.25 r90
C461: PIN_NUMBER "1" at 15.035,11.834 h0.25 r90; PIN_NUMBER "2" at 15.035,10.854 h0.25 r90
C462: PIN_NUMBER "1" at 51.815,11.403 h0.25 r180; PIN_NUMBER "2" at 52.375,11.403 h0.25 r180
C463: PIN_NUMBER "1" at 57.304,10.957 h0.25 r270; PIN_NUMBER "2" at 57.304,11.516 h0.25 r270
C464: PIN_NUMBER "1" at 55.871,10.678 h0.25 r270; PIN_NUMBER "2" at 55.871,11.237 h0.25 r270
C465: PIN_NUMBER "2" at 21.635,10.747 h0.25; PIN_NUMBER "1" at 22.615,10.747 h0.25
C466: PIN_NUMBER "1" at 61.076,10.474 h0.25 r270; PIN_NUMBER "2" at 61.076,11.034 h0.25 r270
C467: PIN_NUMBER "1" at 58.282,8.719 h0.25 r270; PIN_NUMBER "2" at 58.282,9.279 h0.25 r270
C468: PIN_NUMBER "1" at 65.966,8.777 h0.25; PIN_NUMBER "2" at 65.406,8.777 h0.25
C469: PIN_NUMBER "1" at 37.682,8.384 h0.25 r270; PIN_NUMBER "2" at 37.682,8.944 h0.25 r270
C470: PIN_NUMBER "1" at 30.824,8.384 h0.25 r270; PIN_NUMBER "2" at 30.824,8.944 h0.25 r270
C471: PIN_NUMBER "1" at 14.973,9.059 h0.25 r90; PIN_NUMBER "2" at 14.973,8.079 h0.25 r90
C472: PIN_NUMBER "1" at 28.537,8.57 h0.25 r180; PIN_NUMBER "2" at 29.097,8.57 h0.25 r180
C473: PIN_NUMBER "1" at 33.816,7.205 h0.25 r180; PIN_NUMBER "2" at 34.376,7.205 h0.25 r180
C474: PIN_NUMBER "2" at 68.286,6.869 h0.25; PIN_NUMBER "1" at 68.846,6.869 h0.25
C475: PIN_NUMBER "1" at 19.75,7.123 h0.25 r90; PIN_NUMBER "2" at 19.75,6.563 h0.25 r90
C476: PIN_NUMBER "1" at 7.275,5.889 h0.25 r270; PIN_NUMBER "2" at 7.275,6.869 h0.25 r270
C477: PIN_NUMBER "2" at 68.286,6.107 h0.25; PIN_NUMBER "1" at 68.846,6.107 h0.25
C478: PIN_NUMBER "1" at 19.496,5.039 h0.25 r270; PIN_NUMBER "2" at 19.496,5.599 h0.25 r270
C479: PIN_NUMBER "1" at 10.9,4.343 h0.25 r270; PIN_NUMBER "2" at 10.9,5.323 h0.25 r270
C480: PIN_NUMBER "1" at 6.019,4.5 h0.25; PIN_NUMBER "2" at 5.039,4.5 h0.25
C481: PIN_NUMBER "1" at 14.822,4.812 h0.25 r90; PIN_NUMBER "2" at 14.822,4.252 h0.25 r90
C482: PIN_NUMBER "2" at 7.162,3.23 h0.25; PIN_NUMBER "1" at 8.142,3.23 h0.25
C483: PIN_NUMBER "1" at 6.019,3.23 h0.25; PIN_NUMBER "2" at 5.039,3.23 h0.25
C484: PIN_NUMBER "2" at 37.81,3.286 h0.25 r180; PIN_NUMBER "1" at 37.25,3.286 h0.25 r180
C485: PIN_NUMBER "1" at 14.568,2.728 h0.25 r270; PIN_NUMBER "2" at 14.568,3.288 h0.25 r270
C486: PIN_NUMBER "2" at 45.124,1.852 h0.25 r90; PIN_NUMBER "1" at 45.124,3.452 h0.25 r90
C487: PIN_NUMBER "1" at 38.343,1.827 h0.25; PIN_NUMBER "2" at 37.783,1.827 h0.25
C488: PIN_NUMBER "1" at 24.169,1.623 h0.25 r180; PIN_NUMBER "2" at 24.729,1.623 h0.25 r180
C489: PIN_NUMBER "1" at 26.253,1.153 h0.25; PIN_NUMBER "2" at 25.693,1.153 h0.25
C490: PIN_NUMBER "1" at 9.082,0.695 h0.25 r270; PIN_NUMBER "2" at 9.082,1.255 h0.25 r270
C491: PIN_NUMBER "2" at 43.973,-0.269 h0.25 r180; PIN_NUMBER "1" at 42.373,-0.269 h0.25 r180
C492: PIN_NUMBER "1" at 38.423,-1.869 h0.25; PIN_NUMBER "2" at 37.863,-1.869 h0.25
C493: PIN_NUMBER "2" at 29.135,91.943 h0.25 r45; PIN_NUMBER "1" at 29.53,92.339 h0.25 r45
C496: PIN_NUMBER "1" at 47.848,131.662 h0.25 r180; PIN_NUMBER "2" at 48.408,131.662 h0.25 r180
C497: PIN_NUMBER "1" at 16.572,132.482 h0.25; PIN_NUMBER "2" at 17.132,132.482 h0.25
C498: PIN_NUMBER "1" at 44.377,124.097 h0.25 r90; PIN_NUMBER "2" at 44.377,125.076 h0.25 r90
C499: PIN_NUMBER "2" at 6.211,52.07 h0.25; PIN_NUMBER "1" at 5.231,52.07 h0.25
C500: PIN_NUMBER "2" at 3.074,61.115 h0.25 r90; PIN_NUMBER "1" at 3.074,62.095 h0.25 r90
C502: PIN_NUMBER "1" at 2.228,64.04 h0.25 r270; PIN_NUMBER "2" at 2.228,65.02 h0.25 r270
C509: PIN_NUMBER "1" at 59.092,39.791 h0.25; PIN_NUMBER "2" at 58.112,39.791 h0.25
C510: PIN_NUMBER "2" at 60.611,28.458 h0.25 r180; PIN_NUMBER "1" at 61.171,28.458 h0.25 r180
C511: PIN_NUMBER "2" at 56.363,28.542 h0.25; PIN_NUMBER "1" at 56.923,28.542 h0.25
C512: PIN_NUMBER "2" at 57.963,20.369 h0.25 r90; PIN_NUMBER "1" at 57.963,20.929 h0.25 r90
C513: PIN_NUMBER "2" at 65.837,21.056 h0.25 r180; PIN_NUMBER "1" at 65.277,21.056 h0.25 r180
C514: PIN_NUMBER "2" at 59.463,25.801 h0.25 r180; PIN_NUMBER "1" at 60.023,25.801 h0.25 r180
C515: PIN_NUMBER "2" at 59.51,19.803 h0.25 r180; PIN_NUMBER "1" at 58.95,19.803 h0.25 r180
C516: PIN_NUMBER "2" at 56.159,20.219 h0.25 r270; PIN_NUMBER "1" at 56.159,19.659 h0.25 r270
D1: PIN_NUMBER "1" at 48.536,49.307 h0.25 r180; PIN_NUMBER "2" at 48.536,51.207 h0.25 r180; PIN_NUMBER "3" at 46.236,50.257 h0.25 r180; Top Overlay "3" at 46.708,50.901 h0.64 r90; Top Overlay "2" at 49.478,50.879 h0.64
D2: PIN_NUMBER "2" at 5.606,37.625 h0.25 r90; PIN_NUMBER "1" at 5.606,37.185 h0.25 r90
D4: PIN_NUMBER "2" at 6.076,22.464 h0.25; PIN_NUMBER "1" at 5.636,22.464 h0.25
D5: PIN_NUMBER "1" at 6.275,21.185 h0.25 r180; PIN_NUMBER "3" at 5.975,20.845 h0.25 r180; PIN_NUMBER "2" at 5.975,21.525 h0.25 r180; Top Overlay "3" at 5.081,20.44 h0.51; Top Overlay "2" at 5.107,21.253 h0.51
D7: PIN_NUMBER "1" at 3.933,10.841 h0.25 r270; PIN_NUMBER "2" at 3.933,10.161 h0.25 r270
D8: PIN_NUMBER "1" at 73.262,4.846 h0.25 r90; PIN_NUMBER "2" at 73.262,5.526 h0.25 r90
D9: PIN_NUMBER "2" at 0.752,36.13 h0.25 r270; PIN_NUMBER "1" at 0.752,35.691 h0.25 r270
D10: PIN_NUMBER "2" at 1.481,18.57 h0.25 r90; PIN_NUMBER "1" at 1.481,19.01 h0.25 r90
D12: PIN_NUMBER "1" at 39.892,8.264 h0.25 r270; PIN_NUMBER "2" at 39.892,8.944 h0.25 r270
D13: PIN_NUMBER "1" at 33.034,8.264 h0.25 r270; PIN_NUMBER "2" at 33.034,8.944 h0.25 r270
D14: PIN_NUMBER "2" at 65.834,71.084 h0.25; PIN_NUMBER "1" at 65.834,72.984 h0.25; PIN_NUMBER "3" at 63.534,72.034 h0.25; Bottom Overlay "3" at 63.309,73.088 h0.64; Bottom Overlay "2" at 67.262,70.955 h0.64
FB1: PIN_NUMBER "2" at 7.437,113.791 h0.25 r270; PIN_NUMBER "1" at 7.437,112.191 h0.25 r270
FB2: PIN_NUMBER "1" at 10.952,114.297 h0.25 r270; PIN_NUMBER "2" at 10.952,115.898 h0.25 r270
FB3: PIN_NUMBER "1" at 14.977,104.572 h0.25; PIN_NUMBER "2" at 13.377,104.572 h0.25
FL1: PIN_NUMBER "2" at 50.712,132.443 h0.25 r270; PIN_NUMBER "1" at 50.712,133.363 h0.25 r270
FL2: PIN_NUMBER "1" at 52.821,126.753 h0.25 r90; PIN_NUMBER "2" at 52.821,127.673 h0.25 r90
FL3: PIN_NUMBER "2" at 47.667,100.328 h0.25 r90; PIN_NUMBER "1" at 47.667,99.408 h0.25 r90
FL4: PIN_NUMBER "1" at 48.811,96.431 h0.25 r180; PIN_NUMBER "2" at 47.111,96.431 h0.25 r180
FL5: PIN_NUMBER "2" at 45.543,94.299 h0.25 r180; PIN_NUMBER "1" at 46.463,94.299 h0.25 r180
FL6: PIN_NUMBER "2" at 46.188,92.746 h0.25 r180; PIN_NUMBER "1" at 47.108,92.746 h0.25 r180
FL7: PIN_NUMBER "1" at 48.77,91.325 h0.25 r90; PIN_NUMBER "2" at 48.77,93.025 h0.25 r90
FL8: PIN_NUMBER "1" at 0.713,90.607 h0.25 r270; PIN_NUMBER "2" at 0.713,89.687 h0.25 r270
FL9: PIN_NUMBER "1" at 21.012,80.325 h0.25; PIN_NUMBER "2" at 21.932,80.325 h0.25
FL10: PIN_NUMBER "2" at 58.569,70.086 h0.25 r180; PIN_NUMBER "1" at 59.489,70.086 h0.25 r180
FL12: PIN_NUMBER "2" at 67.321,39.304 h0.25 r180; PIN_NUMBER "1" at 68.241,39.304 h0.25 r180
FL13: PIN_NUMBER "2" at 22.126,107.403 h0.25 r180; PIN_NUMBER "1" at 21.206,107.403 h0.25 r180
FL14: PIN_NUMBER "2" at 18.327,104.204 h0.25 r270; PIN_NUMBER "1" at 18.327,103.284 h0.25 r270
FL15: PIN_NUMBER "1" at 68.02,101.565 h0.25 r270; PIN_NUMBER "2" at 68.02,102.465 h0.25 r270
FL16: PIN_NUMBER "2" at 47.6,101.38 h0.25; PIN_NUMBER "1" at 48.52,101.38 h0.25
FL17: PIN_NUMBER "1" at 1.18,97.884 h0.25 r270; PIN_NUMBER "2" at 1.18,98.804 h0.25 r270
FL18: PIN_NUMBER "1" at 14.28,94.931 h0.25 r90; PIN_NUMBER "2" at 14.28,93.232 h0.25 r90
FL19: PIN_NUMBER "2" at 16.755,90.002 h0.25 r180; PIN_NUMBER "1" at 15.835,90.002 h0.25 r180
FL20: PIN_NUMBER "1" at 68.046,79.113 h0.25 r270; PIN_NUMBER "2" at 68.046,80.013 h0.25 r270
FL21: PIN_NUMBER "2" at 60.54,72.782 h0.25 r270; PIN_NUMBER "1" at 60.54,71.862 h0.25 r270
FL22: PIN_NUMBER "2" at 50.913,67.861 h0.25 r180; PIN_NUMBER "1" at 49.993,67.861 h0.25 r180
FL23: PIN_NUMBER "2" at 42.507,63.762 h0.25; PIN_NUMBER "1" at 43.427,63.762 h0.25
FL25: PIN_NUMBER "2" at 15.989,8.999 h0.25 r270; PIN_NUMBER "1" at 15.989,8.079 h0.25 r270
FL26: PIN_NUMBER "2" at 9.757,4.373 h0.25 r90; PIN_NUMBER "1" at 9.757,5.293 h0.25 r90
J1: PIN_NUMBER "2" at 56.691,145.057 h0.25 r270; PIN_NUMBER "3" at 53.741,145.057 h0.25 r270; PIN_NUMBER "1" at 55.216,143.532 h0.25 r270; Top Overlay "3" at 52.238,144.595 h0.51; Top Overlay "2" at 58.055,145.078 h0.51
J2: PIN_NUMBER "2" at 68.296,145.057 h0.25 r270; PIN_NUMBER "3" at 65.346,145.057 h0.25 r270; PIN_NUMBER "1" at 66.821,143.532 h0.25 r270; Top Overlay "3" at 63.611,144.595 h0.51; Top Overlay "2" at 69.758,145.002 h0.51
J3: PIN_NUMBER "34" at 45.854,121.727 h0.25; PIN_NUMBER "30" at 40.774,121.727 h0.25; PIN_NUMBER "20" at 28.074,121.727 h0.25; PIN_NUMBER "14" at 20.454,121.727 h0.25; PIN_NUMBER "6" at 10.395,121.727 h0.25; PIN_NUMBER "25" at 35.694,119.187 h0.25; PIN_NUMBER "9" at 15.475,119.187 h0.25; PIN_NUMBER "28" at 38.234,121.727 h0.25; PIN_NUMBER "27" at 38.234,119.187 h0.25; PIN_NUMBER "33" at 45.854,119.187 h0.25; PIN_NUMBER "36" at 48.394,121.727 h0.25; PIN_NUMBER "35" at 48.394,119.187 h0.25; PIN_NUMBER "38" at 50.934,121.727 h0.25; PIN_NUMBER "11" at 17.914,119.187 h0.25; PIN_NUMBER "40" at 53.474,121.727 h0.25; PIN_NUMBER "12" at 17.914,121.727 h0.25; PIN_NUMBER "7" at 12.935,119.187 h0.25; PIN_NUMBER "13" at 20.454,119.187 h0.25; PIN_NUMBER "19" at 28.074,119.187 h0.25; PIN_NUMBER "21" at 30.614,119.187 h0.25; PIN_NUMBER "23" at 33.154,119.187 h0.25; PIN_NUMBER "29" at 40.774,119.187 h0.25; PIN_NUMBER "31" at 43.314,119.187 h0.25; PIN_NUMBER "37" at 50.934,119.187 h0.25; PIN_NUMBER "8" at 12.935,121.727 h0.25; PIN_NUMBER "10" at 15.374,121.727 h0.25; PIN_NUMBER "16" at 22.994,121.727 h0.25; PIN_NUMBER "18" at 25.534,121.727 h0.25; PIN_NUMBER "22" at 30.614,121.727 h0.25; PIN_NUMBER "24" at 33.154,121.727 h0.25; PIN_NUMBER "26" at 35.694,121.727 h0.25; PIN_NUMBER "32" at 43.314,121.727 h0.25; PIN_NUMBER "1" at 5.315,119.187 h0.25; PIN_NUMBER "17" at 25.534,119.187 h0.25; PIN_NUMBER "2" at 5.315,121.727 h0.25; PIN_NUMBER "4" at 7.855,121.727 h0.25; PIN_NUMBER "39" at 53.474,119.187 h0.25; PIN_NUMBER "15" at 22.994,119.187 h0.25; PIN_NUMBER "3" at 7.855,119.187 h0.25; PIN_NUMBER "5" at 10.395,119.187 h0.25; Top Overlay "2" at 5.227,123.632 h0.51; Top Overlay "39" at 53.271,117.028 h0.51; Top Overlay "40" at 53.271,123.632 h0.51
J4: PIN_NUMBER "1" at 65.506,103.148 h0.25 r90; PIN_NUMBER "7" at 65.506,110.768 h0.25 r90; PIN_NUMBER "9" at 65.506,113.308 h0.25 r90; PIN_NUMBER "3" at 65.506,105.688 h0.25 r90; PIN_NUMBER "4" at 68.046,106.958 h0.25 r90; PIN_NUMBER "8" at 68.046,112.038 h0.25 r90; PIN_NUMBER "6" at 68.046,109.498 h0.25 r90; PIN_NUMBER "5" at 65.506,108.228 h0.25 r90; PIN_NUMBER "10" at 67.944,114.578 h0.25 r90; PIN_NUMBER "16" at 71.331,116.61 h0.25 r90; PIN_NUMBER "15" at 71.331,101.116 h0.25 r90; PIN_NUMBER "2" at 68.046,104.418 h0.25 r90; PIN_NUMBER "12" at 78.866,115.588 h0.25 r90; PIN_NUMBER "11" at 76.834,115.588 h0.25 r90; PIN_NUMBER "14" at 78.866,102.138 h0.25 r90; PIN_NUMBER "13" at 76.834,102.138 h0.25 r90; Top Overlay "9" at 65.127,118.442 h0.64; Top Overlay "12" at 79.11,118.467 h0.64; Top Overlay "14" at 80.962,98.654 h0.64 r90; Top Overlay "10" at 69.559,118.34 h0.64; Top Overlay "2" at 67.946,98.706 h0.64
J5: PIN_NUMBER "17" at 4.614,110.219 h0.25; PIN_NUMBER "11" at 4.614,107.219 h0.25; PIN_NUMBER "8" at 4.716,105.72 h0.25; PIN_NUMBER "5" at 4.716,104.22 h0.25; PIN_NUMBER "2" at 4.716,102.72 h0.25; PIN_NUMBER "14" at 4.614,108.72 h0.25; PIN_NUMBER "10" at 4.614,106.72 h0.25; PIN_NUMBER "7" at 4.716,105.219 h0.25; PIN_NUMBER "15" at 4.614,109.219 h0.25; PIN_NUMBER "13" at 4.614,108.219 h0.25; PIN_NUMBER "18" at 4.614,110.72 h0.25; PIN_NUMBER "4" at 4.716,103.72 h0.25; PIN_NUMBER "16" at 4.614,109.72 h0.25; PIN_NUMBER "1" at 4.716,102.22 h0.25; PIN_NUMBER "12" at 4.614,107.72 h0.25; PIN_NUMBER "20" at 3.487,99.847 h0.25 r270; PIN_NUMBER "21" at 3.487,114.346 h0.25 r270; PIN_NUMBER "22" at -1.413,99.247 h0.25 r270; PIN_NUMBER "23" at -1.413,114.946 h0.25 r270; PIN_NUMBER "19" at 4.614,111.219 h0.25; PIN_NUMBER "9" at 4.716,106.219 h0.25; PIN_NUMBER "6" at 4.716,104.72 h0.25; PIN_NUMBER "3" at 4.716,103.22 h0.25; Top Overlay "19" at 6.618,111.173 h0.38 r90
J6: PIN_NUMBER "1" at 65.506,81.304 h0.25 r90; PIN_NUMBER "8" at 68.046,90.194 h0.25 r90; PIN_NUMBER "6" at 68.046,87.654 h0.25 r90; PIN_NUMBER "10" at 67.944,92.734 h0.25 r90; PIN_NUMBER "9" at 65.506,91.464 h0.25 r90; PIN_NUMBER "7" at 65.506,88.924 h0.25 r90; PIN_NUMBER "5" at 65.506,86.384 h0.25 r90; PIN_NUMBER "4" at 68.046,85.114 h0.25 r90; PIN_NUMBER "11" at 76.834,93.744 h0.25 r90; PIN_NUMBER "3" at 65.506,83.844 h0.25 r90; PIN_NUMBER "16" at 71.331,94.766 h0.25 r90; PIN_NUMBER "15" at 71.331,79.272 h0.25 r90; PIN_NUMBER "14" at 78.866,80.294 h0.25 r90; PIN_NUMBER "12" at 78.866,93.744 h0.25 r90; PIN_NUMBER "13" at 76.834,80.294 h0.25 r90; PIN_NUMBER "2" at 68.046,82.574 h0.25 r90; Top Overlay "9" at 65.406,96.547 h0.64; Top Overlay "12" at 80.112,96.456 h0.64; Top Overlay "14" at 78.881,76.684 h0.64; Top Overlay "10" at 67.807,96.522 h0.64; Top Overlay "2" at 68.175,76.811 h0.64
J7: PIN_NUMBER "4" at 67.427,69.871 h0.25 r90; PIN_NUMBER "SH2" at 70.424,72.77 h0.25 r90; PIN_NUMBER "SH1" at 70.424,59.97 h0.25 r90; PIN_NUMBER "2" at 67.427,65.37 h0.25 r90; PIN_NUMBER "3" at 67.427,67.37 h0.25 r90; PIN_NUMBER "1" at 67.427,62.87 h0.25 r90; Top Overlay "4" at 65.341,70.866 h0.51
J8: PIN_NUMBER "2" at -1.422,63.908 h0.25 r90; PIN_NUMBER "1" at -1.422,66.448 h0.25 r90; Top Overlay "2" at -3.492,61.531 h0.64
J9: PIN_NUMBER "14" at 25.534,55.951 h0.25 r180; PIN_NUMBER "3" at 12.935,53.411 h0.25 r180; PIN_NUMBER "5" at 15.475,53.411 h0.25 r180; PIN_NUMBER "9" at 20.555,53.411 h0.25 r180; PIN_NUMBER "27" at 43.314,53.327 h0.25 r180; PIN_NUMBER "7" at 18.015,53.411 h0.25 r180; PIN_NUMBER "15" at 28.074,53.411 h0.25 r180; PIN_NUMBER "2" at 10.395,55.951 h0.25 r180; PIN_NUMBER "20" at 33.154,55.951 h0.25 r180; PIN_NUMBER "1" at 10.395,53.411 h0.25 r180; PIN_NUMBER "26" at 40.774,55.867 h0.25 r180; PIN_NUMBER "25" at 40.774,53.327 h0.25 r180; PIN_NUMBER "17" at 30.614,53.411 h0.25 r180; PIN_NUMBER "28" at 43.314,55.867 h0.25 r180; PIN_NUMBER "18" at 30.614,55.951 h0.25 r180; PIN_NUMBER "21" at 35.694,53.327 h0.25 r180; PIN_NUMBER "13" at 25.534,53.411 h0.25 r180; PIN_NUMBER "19" at 33.154,53.411 h0.25 r180; PIN_NUMBER "22" at 35.694,55.867 h0.25 r180; PIN_NUMBER "23" at 38.234,53.327 h0.25 r180; PIN_NUMBER "6" at 15.475,55.951 h0.25 r180; PIN_NUMBER "16" at 28.074,55.951 h0.25 r180; PIN_NUMBER "12" at 22.994,55.951 h0.25 r180; PIN_NUMBER "24" at 38.234,55.867 h0.25 r180; PIN_NUMBER "11" at 22.994,53.411 h0.25 r180; PIN_NUMBER "10" at 20.454,55.951 h0.25 r180; PIN_NUMBER "4" at 12.935,55.951 h0.25 r180; PIN_NUMBER "8" at 18.015,55.951 h0.25 r180; Top Overlay "2" at 8.572,57.34 h0.64; Top Overlay "28" at 43.242,57.632 h0.64; Top Overlay "27" at 44.044,51.117 h0.64